# Altium PCB ps32-lite_rev_a_public.pcbdoc (part 2 of 3)
Units mm, origin at the board's own origin, x right, y up, seen from the top; angles counter-clockwise.
Board outline 80 x 99 mm, 4 copper layers (Top Layer, Int1 (GND), Int2 (PWR), Bottom Layer), stack 1.369 mm thick; 80 components, 247 nets, 825 pads, 640 vias.
Unrouted connection lines stored in the file: 30.
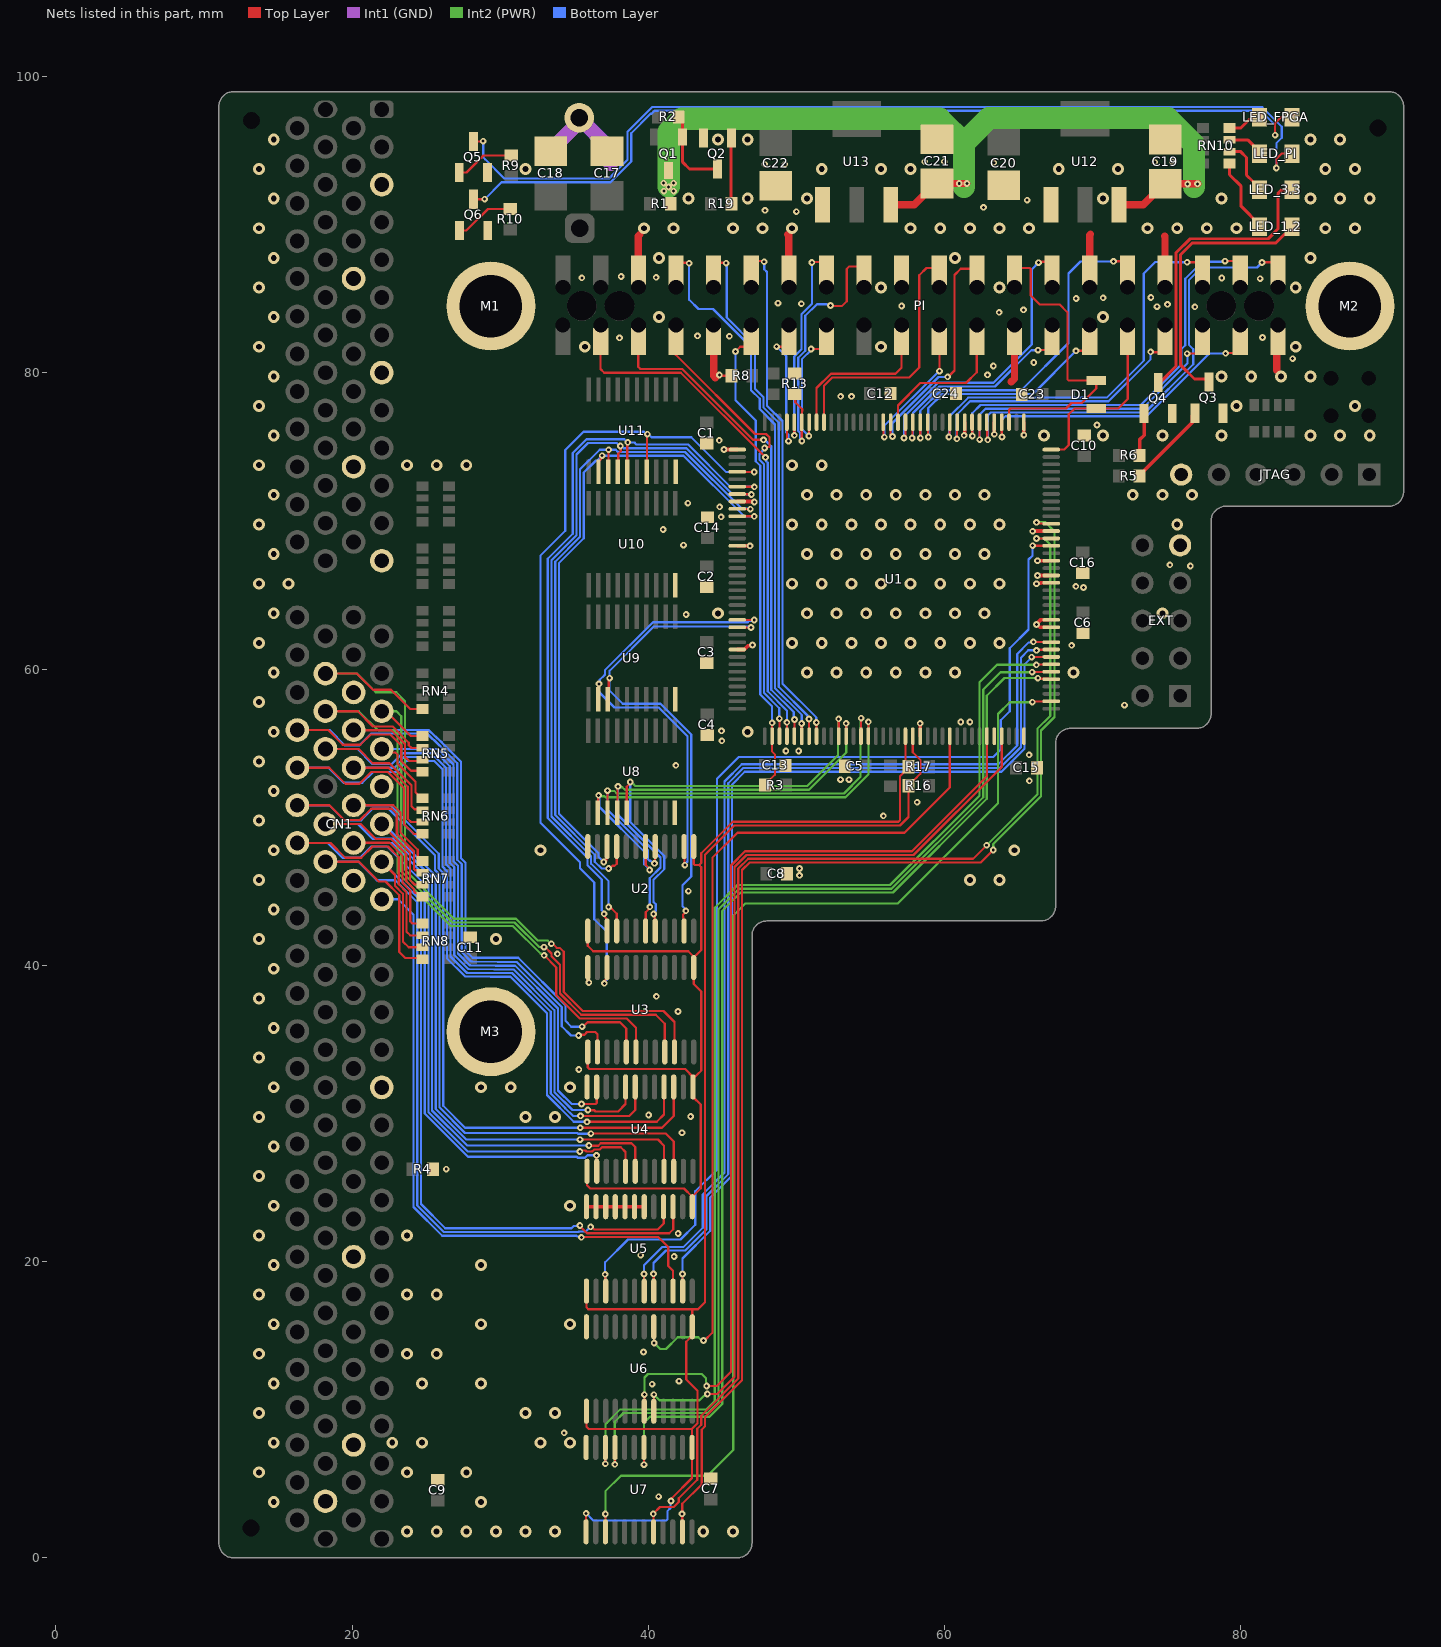
[diagram p4: the nets of this part, all layers, seen from the top]

## Via types
v1: diameter 0.45, hole 0.2, Top Layer to Bottom Layer, tented both sides, 430 vias
v2: diameter 0.8, hole 0.4, Top Layer to Bottom Layer, tented both sides, 210 vias

## Nets (pads, with @x,y where several pads share a name; then routed paths per layer and width w, separated by ;. In a path a pad name is that pad's centre, name@x,y a point inside that pad or via, vN(x,y) a via of type N, cw(c..) or ccw(c..) an arc to the next point about the centre after c; other vN are vias at no path point) (continued)
DA21: U1.40 U3.10 U11.7 | length 57.9
  Top Layer w0.15: v1(37.033,38.789) 37.091,38.847 37.091,39.009 37.211,39.129 U3.10@37.211,39.866 ; U11.7@39.881,73.355 39.904,73.378 39.904,75.846 v1(39.929,75.87) ; U1.40@46.008,73.328 46.014,73.321 47.144,73.321 v1(47.151,73.314)
  Bottom Layer w0.15: v1(37.033,38.789) 37.033,38.871 37.189,39.027 37.189,42.282 36.349,43.123 36.349,45.591 35.387,46.553 35.387,46.971 32.71,49.649 32.71,67.668 34.392,69.351 34.392,74.801 35.62,76.029 39.691,76.029 39.85,75.87 v1(39.929,75.87) ; v1@39.929,75.864 40.016,75.864 40.214,75.666 42.892,75.666 45.236,73.322 47.143,73.322 v1(47.151,73.314)
DA22: U1.42 U2.15 U11.5 | length 51.7
  Top Layer w0.15: v1(37.014,43.483) 37.071,43.426 37.071,43.252 37.176,43.148 37.176,42.361 U2.15@37.214,42.323 ; U11.5@38.583,73.357 38.583,75.29 v1(38.609,75.316) ; U1.42@46.008,72.328 46.017,72.318 47.144,72.318 v1(47.153,72.309)
  Bottom Layer w0.15: v1(37.014,43.483) 37.014,43.565 36.849,43.729 36.849,45.798 35.887,46.76 35.887,47.27 33.21,49.948 33.21,67.461 34.892,69.144 34.892,74.594 35.827,75.529 38.371,75.529 38.584,75.316 v1(38.609,75.316) ; v1@38.609,75.305 38.615,75.299 39.059,75.299 39.192,75.166 42.685,75.166 45.536,72.316 47.146,72.316 v1(47.153,72.309)
DA23: U1.43 U2.16 U11.4 | length 51.1
  Top Layer w0.15: v1(37.317,43.942) 37.399,43.942 37.523,43.817 37.529,43.817 37.864,43.482 U2.16@37.864,42.323 ; U11.4@37.92,73.344 37.967,73.391 37.967,74.544 38.134,74.711 38.134,75.047 v1(38.112,75.069) ; U1.43@46.008,71.828 46.024,71.812 46.939,71.812 v1(46.955,71.796)
  Bottom Layer w0.15: v1(37.317,43.942) 37.317,45.683 36.137,46.864 36.137,47.374 33.46,50.051 33.46,67.357 35.142,69.04 35.142,74.491 35.931,75.279 37.874,75.279 38.085,75.069 38.194,75.069 38.346,74.916 42.582,74.916 45.702,71.796 v1(46.955,71.796)
DA24: U1.84 U2.19 U8.4 | length 32.6
  Top Layer w0.15: U8.4@37.923,50.306 37.923,52.057 v1(37.954,52.089) ; U2.19@39.814,42.323 39.821,42.33 39.821,43.598 40.1,43.877 v1(40.1,43.955) ; v1(53.355,56.348) v1(53.355,56.348) 53.356,55.479 U1.84@53.358,55.478
  Int2 (PWR) w0.15: v1(37.954,52.089) 38.01,52.035 38.072,52.035 38.238,52.035 38.418,51.854 50.846,51.854 53.36,54.369 53.36,56.343 v1(53.355,56.348)
  Bottom Layer w0.15: v1(37.954,52.089) 37.954,50.153 40.217,47.89 40.217,47.887 40.818,47.286 40.818,46.604 40.1,45.887 v1(40.1,43.955)
DA25: U1.83 U2.20 U8.5 | length 32.3
  Top Layer w0.15: U8.5@38.537,50.271 38.537,52.062 38.778,52.302 v1(38.778,52.384) ; v1(40.362,43.471) 40.362,43.39 40.426,43.325 40.426,42.361 U2.20@40.464,42.323 ; v1(52.849,56.643) 52.853,56.639 52.853,55.482 U1.83@52.858,55.478
  Int2 (PWR) w0.15: v1(38.778,52.384) 38.856,52.384 39.135,52.104 50.714,52.104 52.802,54.193 52.802,56.596 v1(52.849,56.643)
  Bottom Layer w0.15: v1(38.778,52.384) 38.778,49.683 40.467,47.993 40.467,47.99 41.068,47.39 41.068,46.501 40.35,45.783 40.35,44.285 40.506,44.129 40.506,43.697 40.362,43.552 v1(40.362,43.471)
DA26: U1.61 U2.23 U9.3 | length 35
  Top Layer w0.15: U9.3@37.297,57.959 37.329,57.99 37.329,59.336 v1(37.386,59.394) ; U2.23@42.414,42.323 42.376,42.361 42.376,43.24 42.344,43.272 42.344,43.419 42.528,43.603 v1(42.528,43.685) ; U1.61@46.008,62.828 46.015,62.821 46.929,62.821 v1(46.936,62.814)
  Bottom Layer w0.15: v1@37.348,59.432 37.386,59.47 37.386,59.9 40.362,62.876 46.777,62.876 46.782,62.872 46.878,62.872 v1(46.936,62.814) ; v1(37.386,59.394) 37.386,58.542 38.269,57.659 40.82,57.659 42.893,55.586 42.893,46.004 42.301,45.412 42.301,43.992 42.528,43.766 v1(42.528,43.685)
DA27: U1.60 U2.2 U9.2 | length 32.7
  Top Layer w0.15: U9.2@36.619,57.932 36.64,57.952 36.64,58.98 v1(36.669,59.009) ; U2.2@42.414,48.023 42.441,47.996 42.441,46.8 v1(42.468,46.773) ; U1.60@46.008,63.328 46.011,63.324 47.228,63.324 v1@47.231,63.32
  Bottom Layer w0.15: v1(42.468,46.773) 42.468,46.835 42.643,47.011 42.643,55.471 40.705,57.409 37.713,57.409 36.669,58.453 v1(36.669,59.009) 36.697,59.038 36.726,59.067 36.726,59.286 37.049,59.61 37.049,59.625 37.065,59.641 37.065,59.932 40.309,63.177 46.706,63.177 46.793,63.263 v1@47.174,63.263
  other v1: 47.151,63.32
DA28: U1.86 U2.5 U8.3 | length 31.8
  Top Layer w0.15: U8.3@37.241,50.275 37.244,50.278 37.244,51.792 v1(37.246,51.794) ; v1(40.418,46.886) 40.441,46.909 40.441,48 U2.5@40.464,48.023 ; U1.86@54.358,55.478 54.362,55.482 54.362,56.691 v1(54.366,56.695)
  Int2 (PWR) w0.15: v1(37.246,51.794) 37.258,51.783 37.696,51.783 37.875,51.604 53.204,51.604 54.328,52.728 54.328,56.658 v1(54.366,56.695)
  Bottom Layer w0.15: v1(37.246,51.794) 37.244,51.792 37.244,50.509 39.967,47.786 39.967,47.178 40.073,47.072 40.151,47.072 40.337,46.886 v1(40.418,46.886)
DA29: U1.87 U2.6 U8.2 | length 33
  Top Layer w0.15: U8.2@36.585,50.27 36.585,50.922 cw(c36.735,50.922) 36.585,50.925 36.621,50.961 36.621,51.455 v1(36.65,51.484) ; U2.6@39.814,48.023 39.821,48.016 39.821,46.792 40.09,46.523 v1(40.09,46.442) ; U1.87@54.858,55.478 v1(54.857,56.447)
  Int2 (PWR) w0.15: v1(36.65,51.484) 36.707,51.427 37.048,51.427 37.121,51.354 53.319,51.354 54.857,52.892 v1(54.857,56.447)
  Bottom Layer w0.15: v1@36.601,51.35 36.601,51.435 v1(36.65,51.484) 36.707,51.427 36.707,50.693 39.717,47.683 39.717,46.824 40.09,46.451 v1(40.09,46.442)
DA30: U1.45 U2.9 U11.3 | length 47.4
  Top Layer w0.15: U11.3@37.275,73.349 37.302,73.376 37.302,74.801 v1(37.317,74.816) ; v1(37.317,46.538) 37.399,46.538 37.584,46.724 37.724,46.724 37.865,46.865 37.865,48.022 U2.9@37.864,48.023 ; U1.45@46.008,70.828 46.019,70.817 46.872,70.817 v1(46.883,70.805)
  Bottom Layer w0.15: v1@37.294,74.832 37.31,74.816 37.799,74.816 37.949,74.666 42.478,74.666 46.318,70.827 46.862,70.827 v1(46.883,70.805) ; v1(37.317,74.816) 36.714,74.816 35.392,73.495 35.392,68.936 33.71,67.254 33.71,50.155 36.387,47.477 36.387,47 36.849,46.538 v1(37.317,46.538)
DA31: U1.46 U2.10 U11.2 | length 45.4
  Top Layer w0.15: U11.2@36.636,73.337 36.636,74.012 36.786,74.161 36.786,74.241 36.882,74.338 v1(36.882,74.415) ; v1(36.989,46.979) 37.068,46.979 37.176,47.087 37.176,47.985 U2.10@37.214,48.023 ; U1.46@46.008,70.328 46.013,70.323 47.125,70.323 v1@47.131,70.318
  Bottom Layer w0.15: v1@36.879,74.416 42.374,74.416 46.467,70.324 46.677,70.324 46.68,70.327 47.122,70.327 v1@47.131,70.318 ; v1(36.882,74.415) 36.878,74.415 36.556,74.093 36.46,74.093 35.642,73.276 35.642,68.833 33.96,67.15 33.96,50.258 36.637,47.581 36.637,47.33 v1(36.989,46.979)
  other v1: 47.151,70.318
DS: U1.98 U6.5 | length 59.5
  Top Layer w0.15: v1@40.382,14.514 U6.5@40.382,15.744 ; v1(43.724,14.669) 43.79,14.669 44.325,15.203 44.325,47.262 46.013,48.951 57.29,48.951 60.358,52.019 U1.98@60.358,55.478
  Int2 (PWR) w0.15: v1(40.396,14.5) 40.799,14.097 41.192,14.097 41.992,14.897 43.369,14.897 43.597,14.669 v1(43.724,14.669)
DSACK0: U1.103 U6.19 | length 66
  Top Layer w0.15: v1(39.734,11.013) 39.738,11.008 39.738,9.86 U6.19@39.743,9.855 ; v1(43.936,11.603) 43.947,11.592 44.597,11.592 45.575,12.57 45.575,46.744 46.531,47.701 57.807,47.701 62.858,52.751 U1.103@62.858,55.478
  Int2 (PWR) w0.15: v1(39.734,11.013) 39.734,12.177 39.973,12.417 43.603,12.417 43.888,12.132 43.888,11.65 v1(43.936,11.603)
DSACK1: U1.105 U6.20 | length 64.8
  Top Layer w0.15: v1(40.374,11.019) 40.384,11.01 40.384,9.864 U6.20@40.393,9.855 ; v1(43.985,11.055) 44.661,11.055 45.825,12.219 45.825,46.641 46.634,47.451 57.911,47.451 63.858,53.397 U1.105@63.858,55.478
  Int2 (PWR) w0.15: v1(40.374,11.019) 40.754,10.64 43.449,10.64 43.732,10.923 43.841,10.923 43.974,11.055 v1(43.985,11.055)
FC0: U1.113 U7.6 | length 76
  Top Layer w0.15: v1@39.706,6.318 U7.6@39.706,7.547 ; v1(66.297,59.398) 66.348,59.347 67.188,59.347 U1.113@67.208,59.328
  Int2 (PWR) w0.15: v1(39.71,6.291) 39.71,9.12 40.111,9.522 44.124,9.522 44.988,10.385 44.988,43.124 44.988,43.682 46.231,44.925 46.788,44.925 56.525,44.925 62.856,51.256 62.856,58.202 64.052,59.398 v1(66.297,59.398)
FC1: U1.114 U7.9 | length 78.3
  Top Layer w0.15: v1(37.735,6.309) 37.74,6.314 37.74,7.532 U7.9@37.745,7.537 ; v1(65.918,59.798) 65.933,59.813 67.192,59.813 U1.114@67.208,59.828
  Int2 (PWR) w0.15: v1(37.735,6.309) 37.735,9.182 38.325,9.772 44.02,9.772 44.738,10.489 44.738,43.228 44.738,43.785 46.128,45.175 46.685,45.175 56.421,45.175 62.606,51.36 62.606,58.629 63.775,59.798 v1(65.918,59.798)
FC2: U1.115 U7.10 | length 79.2
  Top Layer w0.15: v1(37.1,6.35) 37.098,6.353 37.098,7.526 U7.10@37.1,7.528 ; v1(66.199,60.298) 66.214,60.313 67.193,60.313 U1.115@67.208,60.328
  Int2 (PWR) w0.15: v1(37.1,6.35) 37.1,9.013 38.108,10.022 43.917,10.022 44.488,10.592 44.488,43.331 44.488,43.889 46.024,45.425 46.581,45.425 56.318,45.425 62.356,51.463 62.356,59.109 63.545,60.298 v1(66.199,60.298)
GND: C1.1 C2.1 C3.1 C4.1 C5.1 C6.1 C7.1 C8.1 C9.1 C10.1 C11.1 C12.1 C13.1 C14.1 C15.1 C16.1 C17.2 C18.2 C19.2 C20.2 C21.2 C22.2 C23.2 C24.1 CN1.P$9 CN1.P$19 CN1.P$29 CN1.P$39 CN1.P$49 CN1.P$59 CN1.P$69 CN1.P$79 CN1.P$101 CN1.P$119 CN1.P$139 CN1.P$146 EXT.9 JTAG.6 M1.1 M2.1 M3.1 pad.50 PI.6 PI.9 PI.14 PI.20 PI.25 PI.30 PI.34 PI.39 Q2.2 Q3.2 Q4.2 Q5.2 Q6.2 R4.2 R8.2 R13.1 U1.1 U1.5 U1.9 U1.37 U1.44 U1.50 U1.64 U1.94 U1.104 U1.108 U1.120 U1.121 U1.126 U1.127 U1.129 U1.133 U2.12 U3.12 U4.12 U5.6 U5.7 U5.8 U5.9 U5.10 U5.11 U5.12 U6.12 U7.12 U8.10 U9.10 U10.10 U11.10 U12.1 U13.1 | length 43.9
  Top Layer w0.15: v1@44.847,79.811 R8.2@45.612,79.811
  Top Layer w0.2: U3.12@35.912,39.859 35.941,39.83 35.941,38.884 v1(35.983,38.842)
  Top Layer w0.25: U5.12@35.819,23.707 U5.11@36.469,23.707 U5.10@37.119,23.707 U5.9@37.769,23.707 U5.8@38.419,23.707 U5.7@39.069,23.707 U5.6@39.719,23.707 ; v1(45.108,74.835) 45.115,74.828 U1.37@46.008,74.828 ; U1.64@46.008,61.328 46.483,61.328 46.746,61.592 46.99,61.592 v1(47.029,61.63) ; U1.50@46.008,68.328 v1(46.869,68.328) ; U1.44@46.008,71.328 47.056,71.328 47.101,71.283 v1(47.155,71.283) ; U1.94@58.358,55.478 v1(58.358,56.34) ; v1(61.326,75.787) 61.358,75.819 U1.9@61.358,76.678 ; v1(63.358,75.864) U1.5@63.358,76.678 ; v1(65.358,75.817) U1.1@65.358,76.678 ; v1(65.948,69.314) 65.962,69.328 U1.133@67.208,69.328 ; v1(66.208,65.768) 66.246,65.806 66.479,65.806 66.501,65.828 U1.126@67.208,65.828 ; v1(66.277,66.328) U1.127@67.208,66.328 ; v1(66.277,67.322) 66.283,67.328 U1.129@67.208,67.328 ; 66.483,63.328 66.208,63.053 v1(66.208,63.012) 66.248,63.012 66.432,62.828 U1.120@67.208,62.828 ; 66.483,63.328 U1.121@67.208,63.328
  Top Layer w0.5: PI.6@39.326,86.927 39.326,89.249 39.426,89.349 ; PI.9@44.406,82.127 44.406,79.793 44.517,79.682 ; 49.426,89.349 49.486,89.29 PI.14@49.486,86.927 ; 64.516,79.408 64.726,79.618 PI.25@64.726,82.127 ; PI.30@69.806,86.927 69.806,89.318 69.856,89.368 ; 74.878,89.233 74.886,89.225 PI.34@74.886,86.927 ; 82.426,80.197 82.426,82.047 PI.39@82.506,82.127
  Int1 (GND) w1: 33.752,94.495 33.752,95.384 35.329,96.962 pad.50@35.329,97.232 37.435,95.126 37.435,94.126
  other v1: 40.698,4.125 34.317,8.44 40.254,11.72 42.069,11.932 39.669,13.894 41.745,20.344 39.478,20.43 42.016,21.9 26.354,26.238 42.274,28.7 42.861,29.798 40.019,29.897 35.307,32.973 42.004,36.887 40.537,37.913 33.856,40.782 42.702,45.011 50.206,46.082 50.206,46.541 55.87,50.101 58.149,51.016 65.722,52.466 52.976,52.537 53.55,52.537 41.855,53.504 65.709,54.22 49.288,54.477 50.149,54.477 44.961,55.166 44.944,55.834 61.095,56.438 61.706,56.43 72.145,57.568 68.578,61.614 42.556,63.691 69.378,65.514 68.865,65.597 76.598,66.963 75.209,67.043 42.379,68.379 41.004,69.437 44.917,70.282 44.813,70.96 42.665,71.209 44.787,75.451 70.295,76.492 53.714,78.421 52.984,78.424 44.792,79.866 62.901,79.87 63.292,80.476 66.024,80.705 83.503,80.972 38.048,82.368 81.474,82.397 45.467,82.479 43.323,82.503 63.688,84.094 65.33,84.268 76.897,84.466 74.34,84.483 57.106,84.519 75.057,84.639 50.329,84.674 48.756,84.715 68.884,85.033 70.705,85.072 73.928,85.098 81.306,86.364 35.513,86.423 78.717,86.409 40.529,86.459 38.166,86.513 49.997,90.891 47.879,90.985 62.627,91.184 65.575,91.672 47.855,94.093 49.214,94.088 63.324,94.194 74.204,94.235 75.366,94.26 58.661,94.273 59.977,94.273
  other v2: 23.709,1.773 25.709,1.773 27.709,1.773 29.709,1.773 31.709,1.773 33.709,1.773 43.709,1.773 45.709,1.773 14.709,3.773 28.709,3.773 13.709,5.773 23.709,5.773 27.709,5.773 14.709,7.773 22.709,7.773 24.709,7.773 32.709,7.773 34.709,7.773 13.709,9.773 31.709,9.773 33.709,9.773 14.709,11.773 24.709,11.773 28.709,11.773 13.709,13.773 23.709,13.773 25.709,13.773 14.709,15.773 28.709,15.773 34.709,15.773 13.709,17.773 23.709,17.773 25.709,17.773 14.709,19.773 28.709,19.773 13.709,21.773 23.709,21.773 14.709,23.773 34.709,23.773 13.709,25.773 14.709,27.773 13.709,29.773 31.709,29.773 33.709,29.773 14.709,31.773 28.709,31.773 30.709,31.773 34.709,31.773 13.709,33.773 14.709,35.773 13.709,37.773 14.709,39.773 13.709,41.773 29.709,41.773 14.709,43.773 13.709,45.773 61.709,45.773 63.709,45.773 14.709,47.773 32.709,47.773 64.709,47.773 13.709,49.773 14.709,51.773 13.709,53.773 14.709,55.773 46.709,55.773 13.709,57.773 14.709,59.773 50.709,59.773 52.709,59.773 54.709,59.773 56.709,59.773 58.709,59.773 60.709,59.773 68.709,59.773 13.709,61.773 49.709,61.773 51.709,61.773 53.709,61.773 55.709,61.773 57.709,61.773 59.709,61.773 61.709,61.773 63.709,61.773 14.709,63.773 44.709,63.773 50.709,63.773 52.709,63.773 54.709,63.773 56.709,63.773 58.709,63.773 60.709,63.773 62.709,63.773 74.709,63.773 13.709,65.773 15.709,65.773 49.709,65.773 51.709,65.773 53.709,65.773 55.709,65.773 57.709,65.773 59.709,65.773 61.709,65.773 63.709,65.773 14.709,67.773 50.709,67.773 52.709,67.773 54.709,67.773 56.709,67.773 58.709,67.773 60.709,67.773 62.709,67.773 13.709,69.773 49.709,69.773 51.709,69.773 53.709,69.773 55.709,69.773 57.709,69.773 59.709,69.773 61.709,69.773 63.709,69.773 75.709,69.773 14.709,71.773 50.709,71.773 52.709,71.773 54.709,71.773 56.709,71.773 58.709,71.773 60.709,71.773 62.709,71.773 72.709,71.773 74.709,71.773 76.709,71.773 13.709,73.773 23.709,73.773 25.709,73.773 27.709,73.773 49.709,73.773 51.709,73.773 14.709,75.773 66.709,75.773 70.709,75.773 74.709,75.773 78.709,75.773 84.709,75.773 86.709,75.773 88.709,75.773 13.709,77.773 79.709,77.773 87.709,77.773 14.709,79.773 78.709,79.773 80.709,79.773 82.709,79.773 84.709,79.773 13.709,81.773 35.709,81.773 55.709,81.773 83.709,81.773 14.709,83.773 40.709,83.773 70.709,83.773 13.709,85.773 55.709,85.773 63.709,85.773 83.709,85.773 14.709,87.773 40.709,87.773 60.709,87.773 84.709,87.773 13.709,89.773 39.709,89.773 41.709,89.773 45.709,89.773 47.709,89.773 49.709,89.773 57.709,89.773 59.709,89.773 61.709,89.773 63.709,89.773 65.709,89.773 73.709,89.773 75.709,89.773 77.709,89.773 79.709,89.773 85.709,89.773 87.709,89.773 14.709,91.773 42.709,91.773 46.709,91.773 50.709,91.773 70.709,91.773 78.709,91.773 84.709,91.773 86.709,91.773 88.709,91.773 13.709,93.773 31.709,93.773 51.709,93.773 55.709,93.773 57.709,93.773 67.709,93.773 71.709,93.773 85.709,93.773 87.709,93.773 14.709,95.773 44.709,95.773 46.709,95.773 84.709,95.773 86.709,95.773
GPIO0: PI.27 U1.16 | length 14.3
  Top Layer w0.15: v1(57.811,75.608) 57.838,75.635 57.838,76.659 U1.16@57.858,76.678 ; v1@66.284,81.545 66.821,81.545 67.256,81.98 PI.27@67.256,82.127
  Bottom Layer w0.15: v1(57.811,75.608) 57.867,75.664 57.867,77.296 59.656,79.085 63.41,79.085 65.863,81.539 v1(66.312,81.539)
GPIO1: PI.28 U1.17 | length 20.2
  Top Layer w0.15: v1(57.261,75.614) 57.261,75.684 57.358,75.78 U1.17@57.358,76.678 ; v1@66.298,87.511 66.821,87.511 67.256,87.076 PI.28@67.256,86.927
  Bottom Layer w0.15: v1(57.261,75.614) 57.261,77.044 59.552,79.335 63.298,79.335 65.884,81.921 65.884,86.586 65.884,86.992 v1(66.345,87.453)
GPIO2: PI.3 U1.76 | length 34.9
  Top Layer w0.15: PI.3@36.776,82.127 36.776,80.272 37.03,80.019 42.194,80.019 47.906,74.306 v1(47.906,74.303) ; v1(49.353,56.406) 49.355,56.404 49.355,55.492 U1.76@49.359,55.488
  Bottom Layer w0.15: v1(47.906,74.303) 47.963,74.245 47.963,74.033 48.056,73.941 48.056,58.504 49.353,57.206 v1(49.353,56.406)
GPIO3: PI.5 U1.77 | length 32.9
  Top Layer w0.15: PI.5@39.316,81.916 39.319,81.913 39.319,80.414 39.464,80.269 42.297,80.269 47.068,75.497 47.764,75.497 v1(47.774,75.487) ; U1.77@49.854,55.492 49.863,55.501 49.863,56.593 v1(49.868,56.598)
  Bottom Layer w0.15: v1(47.774,75.487) 47.862,75.487 48.012,75.337 48.015,75.337 48.306,75.046 48.306,58.607 49.811,57.102 49.811,56.656 v1(49.868,56.598)
GPIO4: PI.7 U1.75 | length 30.7
  Top Layer w0.15: PI.7@41.856,82.127 41.856,81.237 47.206,75.887 47.94,75.887 48.174,75.653 48.174,75.025 48.144,74.995 47.907,74.995 v1(47.849,74.937) ; v1(48.844,56.66) 48.851,56.653 48.851,55.496 U1.75@48.857,55.49
  Bottom Layer w0.15: v1(47.849,74.937) 47.849,74.868 47.506,74.524 47.506,74.137 47.805,73.838 47.805,58.401 48.844,57.362 v1(48.844,56.66)
GPIO5: PI.29 U1.14 | length 15.8
  Top Layer w0.15: U1.14@58.858,76.678 58.877,76.659 58.877,75.711 v1(58.906,75.681) ; v1@68.91,81.504 69.361,81.504 69.796,81.939 PI.29@69.796,82.127
  Bottom Layer w0.15: v1(58.906,75.681) 58.906,77.628 59.863,78.585 65.968,78.585 v1(68.88,81.498)
GPIO6: D1.1 PI.31 U1.144 | length 11.6
  Top Layer w0.15: U1.144@67.208,74.828 68.083,74.828 68.388,75.133 68.388,77.209 68.773,77.593 D1.1@70.244,77.593 71.716,77.593 72.364,78.241 72.364,81.988 PI.31@72.336,82.016
GPIO7: D1.2 PI.26 U1.3 | length 20.3
  Top Layer w0.15: U1.3@64.358,76.678 64.358,77.498 64.456,77.596 68.198,77.596 68.578,77.976 69.272,77.976 70.244,78.948 D1.2@70.244,79.493 68.382,79.493 68.294,79.581 68.294,84.098 67.769,84.623 66.433,84.623 65.818,85.238 65.818,87.006 65.73,87.094 64.883,87.094 PI.26@64.716,86.927
GPIO8: PI.24 U1.19 | length 15.8
  Top Layer w0.15: U1.19@56.358,76.678 56.358,75.842 56.482,75.717 v1(56.482,75.708) ; v1(60.207,79.735) 60.233,79.735 60.665,80.168 60.665,86.618 61.092,87.045 62.059,87.045 PI.24@62.176,86.927
  Bottom Layer w0.15: v1(56.482,75.708) 56.482,76.618 59.588,79.724 60.196,79.724 v1(60.207,79.735)
GPIO9: PI.21 U1.20 | length 9.1
  Top Layer w0.15: U1.20@55.858,76.678 55.877,76.659 55.877,75.724 v1(55.933,75.667) ; PI.21@59.636,82.127 59.656,82.107 v1(59.656,80.124)
  Bottom Layer w0.15: v1(55.933,75.667) 55.933,76.439 59.618,80.124 v1(59.656,80.124)
GPIO10: PI.19 U1.29 | length 10.4
  Top Layer w0.15: U1.29@51.351,76.671 U1.29@51.358,76.678 51.358,78.983 52.326,79.952 56.694,79.952 57.096,80.354 PI.19@57.096,82.127
GPIO11: PI.23 U1.18 | length 9.5
  Top Layer w0.15: U1.18@56.858,76.678 56.858,77.812 58.368,79.322 61.447,79.322 62.176,80.051 PI.23@62.176,82.127
GPIO12: PI.32 U1.15 | length 24.2
  Top Layer w0.15: U1.15@58.358,76.678 58.359,76.676 58.359,75.61 v1(58.361,75.608) ; v1@71.4,87.55 71.901,87.55 72.336,87.115 PI.32@72.336,86.927
  Bottom Layer w0.15: v1(58.361,75.608) 58.366,75.613 58.366,77.442 59.76,78.835 65.175,78.835 68.369,82.029 68.369,86.724 69.179,87.534 70.5,87.534 v1(71.408,87.534)
GPIO13: PI.33 U1.10 | length 19.4
  Top Layer w0.15: v1(60.828,75.553) 60.843,75.568 60.843,76.663 U1.10@60.858,76.678 ; v1@73.89,81.405 74.441,81.405 74.876,81.84 PI.33@74.876,82.127
  Bottom Layer w0.15: v1(60.828,75.553) 60.828,77.189 61.724,78.085 71.073,78.085 73.914,80.926 v1(73.914,81.431)
GPIO14: PI.8 U1.78 | length 36.8
  Top Layer w0.15: PI.8@41.856,86.927 41.856,87.011 42.291,87.446 v1@42.707,87.446 ; v1(50.352,56.337) 50.355,56.334 50.355,55.481 U1.78@50.358,55.478
  Bottom Layer w0.15: v1(42.754,87.409) 42.754,86.652 42.754,84.947 43.384,84.317 44.37,84.317 46.936,81.751 46.936,78.835 47.518,78.253 47.518,77.564 48.556,76.526 48.556,58.711 50.352,56.914 v1(50.352,56.337)
GPIO15: PI.10 U1.79 | length 35.6
  Top Layer w0.15: PI.10@44.396,86.927 44.396,87.383 44.45,87.437 45.261,87.437 v1@45.27,87.428 ; v1(50.846,56.636) 50.852,56.63 50.852,55.485 U1.79@50.858,55.478
  Bottom Layer w0.15: v1(45.252,87.418) 45.299,87.371 45.299,83.741 47.192,81.848 47.192,78.953 47.768,78.377 47.768,77.685 48.806,76.647 48.806,58.814 50.747,56.873 50.747,56.817 50.846,56.717 v1(50.846,56.636)
GPIO16: PI.36 U1.11 | length 27.6
  Top Layer w0.15: v1(60.29,75.679) 60.338,75.728 60.338,76.659 U1.11@60.358,76.678 ; v1(76.379,87.476) 77.029,87.476 77.416,87.089 PI.36@77.416,86.927
  Bottom Layer w0.15: v1(60.29,75.679) 60.322,75.712 60.322,77.065 61.592,78.335 70.953,78.335 73.452,80.834 73.452,86.718 74.228,87.493 75.424,87.493 75.436,87.481 76.374,87.481 v1(76.379,87.476)
GPIO17: PI.11 R3.1 U1.74 | length 32
  Top Layer w0.15: v1(45.885,81.455) 45.889,81.455 46.201,81.768 46.577,81.768 PI.11@46.936,82.127 ; R3.1@47.9,52.174 47.9,52.224 48.544,52.868 48.544,54.248 48.358,54.435 U1.74@48.358,55.478 ; U1.74@48.357,55.49 v1(48.356,56.379)
  Bottom Layer w0.15: v1(45.885,81.455) 45.885,78.166 47.256,76.795 47.256,74.034 47.555,73.734 47.555,58.297 48.356,57.497 v1(48.356,56.379)
GPIO18: PI.12 U1.80 | length 35
  Top Layer w0.15: PI.12@46.936,86.927 46.936,87.49 47.003,87.557 v1@47.842,87.557 ; v1(51.341,56.395) 51.349,56.387 51.349,55.487 U1.80@51.358,55.478
  Bottom Layer w0.15: v1(47.824,87.511) 47.824,87.007 48.018,86.813 48.018,77.788 49.056,76.751 49.056,59.021 51.331,56.747 51.331,56.406 v1(51.341,56.395)
GPIO19: PI.35 U1.7 | length 20.6
  Top Layer w0.15: U1.7@62.358,76.678 62.362,76.674 62.362,75.505 v1(62.366,75.501) ; v1(76.379,81.308) 76.981,81.308 77.416,81.743 PI.35@77.416,82.127
  Bottom Layer w0.15: v1(62.366,75.501) 62.353,75.514 62.353,77.179 62.759,77.585 73.348,77.585 76.397,80.634 76.397,81.291 v1(76.379,81.308)
GPIO20: PI.38 U1.8 | length 28.4
  Top Layer w0.15: U1.8@61.858,76.678 61.866,76.67 61.866,75.754 v1(61.874,75.746) ; v1(78.94,87.552) 79.521,87.552 79.956,87.117 PI.38@79.956,86.927
  Bottom Layer w0.15: v1(61.874,75.746) 61.868,75.751 61.868,77.281 62.423,77.835 73.244,77.835 75.987,80.578 75.987,81.134 75.979,81.143 75.979,81.609 76.247,81.876 76.247,86.362 77.402,87.517 78.905,87.517 v1(78.94,87.552)
GPIO21: PI.40 U1.6 | length 30.8
  Top Layer w0.15: U1.6@62.858,76.678 62.877,76.659 62.877,75.52 v1(62.916,75.481) ; v1@81.423,87.481 82.061,87.481 82.496,87.046 PI.40@82.496,86.927
  Bottom Layer w0.15: v1(62.916,75.481) 62.916,77.129 63.122,77.335 73.539,77.335 76.786,80.582 76.786,81.608 76.497,81.898 76.497,86.258 77.354,87.116 81.094,87.116 v1(81.435,87.457)
GPIO22: PI.15 U1.30 | length 8.5
  Top Layer w0.15: v1(50.84,75.745) 50.849,75.754 50.849,76.669 U1.30@50.858,76.678 ; v1(50.997,81.614) 51.581,81.614 52.016,82.049 PI.15@52.016,82.127
  Bottom Layer w0.15: v1(50.84,75.745) 50.367,76.217 50.367,80.925 50.997,81.554 v1(50.997,81.614)
GPIO23: PI.16 U1.32 | length 14.4
  Top Layer w0.15: v1(49.855,75.787) v1(49.855,75.787) 49.856,76.677 U1.32@49.858,76.678 ; v1@51.013,87.501 51.581,87.501 52.016,87.066 PI.16@52.016,86.927
  Bottom Layer w0.15: v1(49.855,75.787) 49.854,76.188 49.854,76.312 49.854,81.119 50.347,81.612 50.347,83.965 51.041,84.659 v1(51.041,87.465)
GPIO24: PI.18 R13.2 U1.31 | length 19
  Top Layer w0.15: R13.2@49.878,78.559 49.919,78.518 49.919,78.022 50.386,77.555 50.386,77.431 50.377,77.422 50.377,76.697 U1.31@50.358,76.678 50.36,76.676 50.36,75.408 v1(50.363,75.406) ; v1(52.3,84.553) 52.339,84.515 53.06,84.515 53.39,84.845 53.39,87.016 53.571,87.197 54.286,87.197 PI.18@54.556,86.927
  Bottom Layer w0.15: v1(50.363,75.406) 50.293,75.475 50.255,75.513 50.25,75.567 cw(c50.399,75.581) 50.255,75.622 50.255,75.953 50.122,76.086 50.117,76.091 50.117,81.028 50.597,81.508 50.597,83.86 51.381,84.644 52.062,84.644 52.096,84.611 52.243,84.611 v1(52.3,84.553)
GPIO25: PI.22 U1.28 | length 17.3
  Top Layer w0.15: U1.28@51.869,76.667 U1.28@51.858,76.678 51.858,79.129 52.426,79.698 57.626,79.698 58.297,80.369 58.297,86.601 58.78,87.084 59.479,87.084 PI.22@59.636,86.927
GPIO26: PI.37 U1.4 | length 20.6
  Top Layer w0.15: U1.4@63.858,76.678 63.869,76.667 63.869,75.69 v1(63.88,75.678) ; v1@78.989,81.348 79.521,81.348 79.956,81.783 PI.37@79.956,82.127
  Bottom Layer w0.15: v1(63.88,75.678) 63.88,76.856 64.107,77.083 73.64,77.083 77.88,81.322 78.27,81.322 v1(78.976,81.322)
GPIO27: PI.13 U1.33 | length 9
  Top Layer w0.15: v1(48.668,81.775) 49.124,81.775 PI.13@49.476,82.127 ; U1.33@49.358,76.678 49.358,75.584 49.468,75.474 v1(49.468,75.396)
  Bottom Layer w0.15: v1(48.668,81.775) 49.306,81.137 49.306,75.995 49.455,75.846 49.455,75.409 v1(49.468,75.396)
HIZ_CTRL: R16.2 U1.93 U5.13 U6.1 U6.13 U7.1 U7.13 | length 91.2
  Top Layer w0.15: U7.13@35.8,1.755 v1(35.8,3.005) 35.8,3.035 v1@35.802,3.037 ; U6.13@35.819,9.9 35.819,8.852 35.981,8.691 42.93,8.691 ; U5.13@35.819,18.007 35.819,16.912 35.946,16.785 42.969,16.785 ; v1(41.535,3.835) 41.583,3.883 41.583,4.02 42.95,5.387 U7.1@42.95,7.455 42.95,8.67 42.93,8.691 ; U1.93@57.858,55.478 57.858,54.385 58.367,53.876 58.367,52.936 57.936,52.505 57.886,52.505 57.561,52.18 R16.2@57.561,52.13 57.561,50.021 56.991,49.451 45.806,49.451 43.825,47.469 43.825,17.25 43.36,16.785 42.969,16.785 ; 42.93,8.691 43.319,9.08 43.319,9.699 43.319,11.279 42.558,12.041 42.558,14.59 42.798,14.831 42.821,14.831 42.969,14.979 42.969,16.785
  Bottom Layer w0.15: v1(35.8,3.005) 36.289,2.516 41.197,2.516 41.285,2.604 41.285,3.145 41.498,3.358 41.498,3.798 v1(41.535,3.835)
HIZ_DATA: R17.2 U1.92 U2.1 U2.13 U3.1 U3.13 U4.1 U4.13 U5.1 | length 72.6
  Top Layer w0.15: U4.13@35.864,26.096 35.864,25.151 36.077,24.939 42.413,24.939 U5.1@42.969,24.382 ; U3.13@35.912,34.159 35.912,33.112 36.025,32.999 42.485,32.999 43.014,32.471 U4.1@43.014,32.341 ; U2.13@35.914,42.323 35.914,41.328 36.283,40.959 42.691,40.959 43.062,40.588 U3.1@43.062,40.534 ; U5.1@42.969,23.707 U5.1@42.969,24.382 ; U2.1@43.064,48.023 43.064,46.861 43.152,46.773 43.431,46.773 ; U1.92@57.358,55.478 R17.2@57.358,53.147 ; R17.2@57.566,53.405 57.566,53.355 R17.2@57.358,53.147 ; U5.1@42.969,24.382 43.534,24.946 43.534,30.601 43.014,31.121 U4.1@43.014,31.796 U4.1@43.014,32.341 ; U4.1@43.014,32.341 43.338,32.664 43.344,32.664 43.575,32.895 43.575,38.236 43.062,38.749 U3.1@43.062,39.859 U3.1@43.062,40.534 ; U3.1@43.062,40.534 43.575,41.046 43.575,46.63 43.431,46.773 ; 43.431,46.773 43.575,46.916 43.575,47.573 45.702,49.701 56.888,49.701 56.986,49.799 56.986,52.775 R17.2@57.358,53.147
HLT: U1.131 U5.15 | length 75.8
  Top Layer w0.15: U5.15@37.081,17.941 37.085,17.945 37.085,19.14 v1(37.081,19.144) ; v1(65.947,68.339) 65.958,68.328 U1.131@67.208,68.328
  Bottom Layer w0.15: v1(37.081,19.144) 37.081,19.95 38.625,21.494 42.176,21.494 43.173,22.491 43.173,24.746 44.643,26.216 44.643,52.617 46.103,54.077 63.297,54.077 63.793,54.572 63.793,56.548 64.406,57.162 64.406,61.419 65.671,62.684 65.671,67.401 65.947,67.677 v1(65.947,68.339)
INT2: U1.132 U7.20 | length 89.3
  Top Layer w0.15: v1(40.33,2.97) 40.793,3.433 41.724,3.433 42.053,3.762 42.053,4.02 43.3,5.267 43.3,8.707 43.569,8.977 43.569,9.595 46.075,12.1 46.075,46.537 46.738,47.201 61.93,47.201 v1(62.842,48.113) ; v1@40.342,2.967 40.35,2.959 U7.20@40.35,1.755 ; v1(66.206,68.824) 66.208,68.826 67.206,68.826 U1.132@67.208,68.828
  Int2 (PWR) w0.15: v1(62.842,48.113) 66.268,51.539 66.268,55.975 67.133,56.84 67.133,68.423 66.732,68.824 v1(66.206,68.824)
INT6: U1.134 U7.23 | length 89.6
  Top Layer w0.15: v1(42.267,2.965) 42.284,2.949 42.284,1.771 U7.23@42.3,1.755 ; v1@42.293,2.954 42.293,3.648 43.599,4.954 43.599,8.653 43.819,8.873 43.819,9.491 46.325,11.997 46.325,46.434 46.841,46.951 62.447,46.951 v1(63.288,47.791) ; v1(66.208,69.92) 66.289,69.92 66.379,69.83 67.206,69.83 U1.134@67.208,69.828
  Int2 (PWR) w0.15: v1(63.288,47.791) 63.288,48.193 66.518,51.422 66.518,55.86 67.424,56.767 67.424,69.294 66.798,69.92 v1(66.208,69.92)
IPL0: U1.118 U5.19 | length 67.1
  Top Layer w0.15: v1(39.71,19.165) 39.715,19.16 39.715,18.012 U5.19@39.719,18.007 ; v1(65.993,61.845) 66.002,61.837 67.199,61.837 U1.118@67.208,61.828
  Bottom Layer w0.15: v1(39.71,19.165) 39.71,19.746 40.957,20.994 42.383,20.994 43.673,22.284 43.673,24.539 45.143,26.009 45.143,52.41 46.31,53.577 63.632,53.577 64.906,54.851 64.906,61.023 65.692,61.81 65.958,61.81 v1(65.993,61.845)
IPL1: U1.117 U5.20 | length 66.2
  Top Layer w0.15: v1(40.351,19.172) 40.36,19.162 40.36,18.017 U5.20@40.369,18.007 ; v1(66.208,61.275) 66.242,61.309 67.188,61.309 U1.117@67.208,61.328
  Bottom Layer w0.15: v1(40.351,19.172) 40.351,19.909 41.185,20.744 42.486,20.744 43.923,22.181 43.923,24.435 45.393,25.906 45.393,52.307 46.413,53.327 63.735,53.327 65.156,54.747 65.156,60.78 65.651,61.275 v1(66.208,61.275)
IPL2: U1.116 U5.23 | length 64.1
  Top Layer w0.15: U5.23@42.302,17.962 42.311,17.971 42.311,19.157 v1(42.302,19.165) ; v1(65.881,60.812) 65.889,60.82 67.199,60.82 U1.116@67.208,60.828
  Bottom Layer w0.15: v1(42.302,19.165) 42.302,20.206 44.173,22.077 44.173,24.332 45.643,25.802 45.643,52.203 46.517,53.077 63.839,53.077 65.406,54.644 65.406,60.337 v1(65.881,60.812)
KB_RESET: U1.110 U7.15 | length 79.7
  Top Layer w0.15: v1(37.099,2.954) 37.1,1.701 U7.15@37.102,1.698 ; v1(65.929,57.772) 65.966,57.809 67.188,57.809 U1.110@67.208,57.828
  Int2 (PWR) w0.15: v1(37.099,2.954) 37.099,4.486 38.149,5.535 43.99,5.535 45.738,7.283 45.738,42.814 45.738,43.371 46.542,44.175 47.099,44.175 56.836,44.175 63.606,50.945 63.606,56.975 64.403,57.772 v1(65.929,57.772)
NetC19_1: C19.1 C21.1 Q1.3 R1.1 U12.3 U13.3 | length 59.1
  Top Layer w0.5: U13.3@56.369,91.348 57.949,91.348 59.393,92.792 C21.1@59.493,92.792 v1(60.993,92.792) v1@61.509,92.792 ; U12.3@71.784,91.37 73.419,91.37 74.815,92.765 C19.1@74.915,92.765 v1(76.415,92.765) 77.081,92.765 v1(77.083,92.767)
  Int2 (PWR) w1.5: v1@41.371,92.589 41.371,96.284 42.249,97.163 59.672,97.163 61.31,95.525 ; 61.31,92.574 61.31,95.102 61.31,95.525 ; 76.842,92.573 76.842,95.441 75.074,97.209 62.994,97.209 61.31,95.525
  other v1: 41.042,92.273 41.712,92.281 41.373,92.553 61.51,92.795 41.03,92.816 41.711,92.82
NetLED_1.2_1: LED_1.2.1 Q3.3 | length 18.5
  Top Layer w0.2: Q3.3@77.751,79.052 77.751,79.402 77.551,79.602 76.877,79.602 75.918,80.562 75.918,87.97 76.711,88.763 82.345,88.763 82.945,89.363 83.07,89.363 83.47,89.763 LED_1.2.1@83.47,89.888
NetLED_1.2_2: LED_1.2.2 RN10.5 | length 5.1
  Top Layer w0.2: RN10.5@79.24,94.145 79.24,93.391 80.028,92.603 80.028,91.256 81.27,90.013 LED_1.2.2@81.27,89.888
NetLED_3.3_1: LED_3.3.1 Q4.3 | length 20.3
  Top Layer w0.2: Q4.3@74.495,79.314 75.618,80.437 75.618,88.094 76.586,89.063 81.853,89.063 82.505,89.715 82.505,92.099 82.771,92.365 LED_3.3.1@83.47,92.365
NetLED_3.3_2: LED_3.3.2 RN10.6 | length 3.9
  Top Layer w0.2: RN10.6@79.24,94.945 80,94.945 80.395,94.55 80.395,93.355 80.577,93.172 80.588,93.172 81.27,92.49 LED_3.3.2@81.27,92.365
NetLED_FPGA_1: LED_FPGA.1 Q6.3 | length 60.9
  Top Layer w0.15: Q6.3@28.205,91.728 28.887,91.728 v1@28.904,91.746 ; v1(82.321,96.062) 82.321,96.874 82.715,97.268 LED_FPGA.1@83.47,97.268
  Bottom Layer w0.15: v1(28.947,91.74) 30.092,92.885 37.441,92.885 38.842,94.286 38.842,96.192 40.15,97.5 40.209,97.5 40.409,97.701 81.347,97.701 82.321,96.727 v1(82.321,96.062)
NetLED_FPGA_2: LED_FPGA.2 RN10.8 | length 2.3
  Top Layer w0.2: RN10.8@79.24,96.545 80.001,96.545 80.588,97.131 81.134,97.131 LED_FPGA.2@81.27,97.268
NetLED_PI_1: LED_PI.1 Q5.3 | length 64.6
  Top Layer w0.15: Q5.3@28.183,95.631 28.801,95.631 v1@28.803,95.629 ; v1(82.405,93.843) 82.405,94.443 82.776,94.814 LED_PI.1@83.47,94.814
  Bottom Layer w0.15: v1(28.849,95.651) 28.849,94.558 28.98,94.427 30.271,93.135 37.338,93.135 38.592,94.39 38.592,96.296 40.247,97.951 81.45,97.951 82.773,96.628 82.773,95.889 82.405,95.521 v1(82.405,93.843)
NetLED_PI_2: LED_PI.2 RN10.7 | length 2.5
  Top Layer w0.2: RN10.7@79.24,95.745 80.465,95.745 81.27,94.939 LED_PI.2@81.27,94.814
NetQ1_1: Q1.1 Q2.3 R2.1 | length 5.7
  Top Layer w0.2: R2.1@42.058,97.289 42.316,97.031 Q1.1@42.316,95.937 42.316,94.236 42.785,93.767 Q2.3@44.666,93.767
NetQ2_1: Q2.1 R19.1 | length 4.3
  Top Layer w0.2: R19.1@45.597,91.583 45.597,95.848 Q2.1@45.616,95.867
NetQ3_1: Q3.1 R5.1 | length 5.8
  Top Layer w0.25: R5.1@73.159,73.039 73.159,73.089 76.729,76.659 76.729,77.112 Q3.1@76.904,77.287
NetQ4_1: Q4.1 R6.1 | length 3
  Top Layer w0.25: R6.1@73.172,74.431 73.172,75.495 73.477,75.8 Q4.1@73.477,77.257
NetQ5_1: Q5.1 R9.1 | length 4
  Top Layer w0.15: Q5.1@27.233,93.531 27.716,93.531 28.874,94.689 R9.1@30.748,94.689
NetQ6_1: Q6.1 R10.1 | length 4
  Top Layer w0.15: Q6.1@27.255,89.628 27.72,89.628 29.167,91.076 R10.1@30.683,91.076
P58: CN1.P$58 RN4.8 U3.22 | length 51.1
  Top Layer w0.15: CN1.P$58@18.2,59.7 20.325,59.7 21.411,58.614 22.63,58.614 23.93,57.313 RN4.8@24.751,57.313 ; v1(33.452,41.461) 33.531,41.461 33.81,41.182 34.022,41.182 34.288,40.916 34.288,38.202 35.571,36.918 41.016,36.918 41.762,36.173 U3.22@41.762,34.159
  Int2 (PWR) w0.15: CN1.P$58@18.2,59.7 20.334,59.7 21.593,58.441 22.973,58.441 23.571,57.843 23.571,46.457 26.876,43.152 31.071,43.152 32.551,41.672 33.215,41.672 33.425,41.461 v1(33.452,41.461)
P61: CN1.P$61 RN5.5 U3.21 | length 40.6
  Top Layer w0.15: CN1.P$61@22,57.16 22.288,57.16 23.963,55.485 RN5.5@24.752,55.485 ; v1(32.953,41.23) 33.034,41.23 33.456,40.809 33.456,40.616 34.038,40.034 34.038,38.098 35.468,36.668 40.501,36.668 41.112,36.058 U3.21@41.112,34.159
  Int2 (PWR) w0.15: CN1.P$61@22,57.16 22.991,57.16 23.321,56.83 23.321,46.354 26.773,42.902 30.967,42.902 32.628,41.241 32.942,41.241 v1(32.953,41.23)
P62: CN1.P$62 RN5.6 U3.18 | length 45.7
  Top Layer w0.15: CN1.P$62@18.2,57.16 20.38,57.16 21.41,56.13 22.739,56.13 23.829,55.04 23.829,54.862 24.009,54.682 24.133,54.682 24.136,54.685 RN5.6@24.751,54.685 RN5.6@24.722,54.655 ; v1(32.967,40.68) 33.788,39.86 33.788,37.995 35.364,36.418 38.535,36.418 39.162,35.792 U3.18@39.162,34.159
  Int2 (PWR) w0.15: CN1.P$62@18.2,57.16 20.455,57.16 21.742,55.873 22.793,55.873 23.071,55.595 23.071,46.25 26.669,42.652 30.864,42.652 32.733,40.783 32.784,40.783 32.886,40.68 v1(32.967,40.68)
P63: CN1.P$63 RN5.7 U3.17 | length 42.6
  Top Layer w0.15: CN1.P$63@20.1,55.89 20.11,55.88 22.636,55.88 23.571,54.945 23.571,54.078 23.839,53.81 24.676,53.81 RN5.7@24.751,53.885 ; v1(35.533,35.862) 35.586,35.862 35.892,36.168 38.088,36.168 38.512,35.744 U3.17@38.512,34.159
  Bottom Layer w0.15: CN1.P$63@20.1,55.89 21.169,55.9 25.154,55.9 26.004,55.099 ccw(c26.106,55.209) 26.01,55.094 26.044,55.065 cw(c25.948,54.95) 26.054,55.057 27.354,53.757 27.354,47.236 27.647,46.943 27.647,41.008 28.146,40.509 31.224,40.509 34.404,37.329 34.404,36.258 34.8,35.862 v1(35.533,35.862)
P64: CN1.P$64 RN5.8 U3.14 | length 49.6
  Top Layer w0.15: CN1.P$64@16.3,55.89 18.379,55.89 19.37,54.899 20.552,54.899 21.248,55.595 22.567,55.595 23.321,54.841 23.321,53.794 23.977,53.138 24.698,53.138 RN5.8@24.751,53.085 ; v1(35.293,35.27) 35.341,35.317 35.685,35.317 35.865,35.497 36.408,35.497 36.562,35.343 U3.14@36.562,34.159
  Bottom Layer w0.15: CN1.P$64@16.3,55.89 18.486,55.89 19.506,54.87 20.493,54.87 21.273,55.65 25.05,55.65 25.9,54.849 ccw(c26.003,54.959) 25.907,54.844 25.941,54.815 cw(c25.845,54.7) 25.95,54.807 ; 25.951,54.806 27.104,53.653 27.104,47.132 27.397,46.839 27.397,40.905 27.999,40.302 28.042,40.259 28.103,40.258 29.837,40.231 31.109,40.231 34.154,37.186 34.154,35.89 34.775,35.27 v1(35.293,35.27)
P65: CN1.P$65 RN6.5 U4.11 | length 41
  Top Layer w0.15: CN1.P$65@22,54.62 22.241,54.379 22.908,54.379 23.071,54.216 23.071,53.603 24.272,52.402 24.272,51.685 24.677,51.281 RN6.5@24.752,51.281 ; v1(35.489,30.637) 36.179,30.637 36.183,30.633 36.426,30.633 36.514,30.721 U4.11@36.514,31.796
  Bottom Layer w0.15: CN1.P$65@22,54.62 25.783,54.62 26.071,54.332 26.844,53.559 26.844,47.038 27.147,46.736 27.147,40.801 27.896,40.052 27.939,40.009 27.999,40.008 29.674,39.981 31.006,39.981 33.904,37.083 33.904,31.56 34.828,30.637 v1(35.489,30.637)
P66: CN1.P$66 RN6.6 U4.8 | length 52
  Top Layer w0.15: CN1.P$66@18.2,54.62 20.424,54.62 21.397,53.647 21.827,53.647 cw(c21.826,53.497) 21.841,53.646 ccw(c21.854,53.796) 21.852,53.646 21.955,53.646 cw(c21.955,53.496) 21.96,53.646 ccw(c22,54.62) 22.04,53.646 cw(c22.045,53.496) 22.045,53.646 22.52,53.646 24.011,52.155 24.011,50.74 24.214,50.537 24.695,50.537 RN6.6@24.751,50.481 ; v1(35.914,30.237) 35.935,30.216 36.364,30.216 36.439,30.141 37.97,30.141 38.464,30.635 U4.8@38.464,31.796
  Bottom Layer w0.15: CN1.P$66@18.2,54.62 20.36,54.62 21.38,53.6 22.675,53.6 23.403,54.328 25.722,54.328 25.74,54.31 26.071,53.979 26.594,53.455 26.594,46.935 26.897,46.632 26.897,40.697 27.792,39.802 27.835,39.759 27.896,39.758 29.57,39.731 30.902,39.731 33.654,36.979 33.654,31.456 34.874,30.237 v1(35.914,30.237)
P67: CN1.P$67 RN6.7 U4.7 | length 49.1
  Top Layer w0.15: CN1.P$67@20.1,53.35 22.462,53.35 23.757,52.056 23.757,49.893 23.968,49.681 RN6.7@24.751,49.681 ; v1(35.42,29.837) 38.71,29.837 39.114,30.24 U4.7@39.114,31.796
  Bottom Layer w0.15: CN1.P$67@20.1,53.35 22.865,53.35 22.909,53.394 22.913,53.398 22.917,53.402 23.451,54.022 cw(c23.564,53.924) 23.458,54.03 23.506,54.078 25.618,54.078 26.344,53.352 26.344,46.831 26.647,46.528 26.647,40.594 27.689,39.552 27.732,39.509 27.792,39.508 29.467,39.481 30.798,39.481 33.404,36.875 33.404,31.353 34.39,30.368 ; 34.397,30.36 34.921,29.837 v1(35.42,29.837)
P68: CN1.P$68 RN6.8 U4.4 | length 60.9
  Top Layer w0.15: CN1.P$68@16.3,53.35 18.455,53.35 19.543,52.262 20.503,52.262 21.297,53.055 22.404,53.055 23.507,51.952 23.507,49.525 24.151,48.881 RN6.8@24.751,48.881 ; v1(35.862,29.437) 35.863,29.438 40.576,29.438 41.064,29.926 U4.4@41.064,31.796
  Bottom Layer w0.15: CN1.P$68@16.3,53.35 18.396,53.35 19.418,52.328 20.687,52.328 21.417,53.057 23.032,53.057 23.076,53.101 23.08,53.105 23.686,53.81 25.533,53.81 26.094,53.248 26.094,46.677 26.397,46.374 26.397,40.49 27.585,39.302 27.628,39.259 27.689,39.258 29.363,39.231 30.695,39.231 33.154,36.772 33.154,31.249 34.967,29.437 v1(35.862,29.437)
P71: CN1.P$71 RN7.5 U4.3 | length 50.1
  Top Layer w0.15: CN1.P$71@20.1,50.81 20.11,50.82 22.78,50.82 23.257,50.344 23.257,48.982 24.429,47.81 24.429,47.297 24.679,47.047 RN7.5@24.754,47.047 ; v1(35.403,29.037) 40.924,29.037 41.714,29.827 U4.3@41.714,31.796
  Bottom Layer w0.15: CN1.P$71@20.1,50.81 20.11,50.82 22.565,50.82 25.844,47.541 25.844,46.545 26.147,46.242 26.147,30.516 27.626,29.037 v1(35.403,29.037)
P72: CN1.P$72 RN7.6 U4.22 | length 59.7
  Top Layer w0.15: CN1.P$72@16.3,50.81 18.468,50.81 19.467,49.811 20.526,49.811 21.285,50.57 22.677,50.57 23.007,50.24 23.007,48.865 24.179,47.692 24.179,47.444 24.179,46.51 24.267,46.422 24.579,46.422 RN7.6@24.754,46.247 ; v1(36.113,28.637) 36.123,28.647 41.178,28.647 41.714,28.111 U4.22@41.714,26.096
  Bottom Layer w0.15: CN1.P$72@16.3,50.81 18.445,50.81 19.462,49.793 20.608,49.793 21.385,50.57 22.462,50.57 25.594,47.438 25.594,46.442 25.897,46.139 25.897,30.412 27.624,28.686 35.192,28.686 35.241,28.637 v1(36.113,28.637)
P73: CN1.P$73 RN7.7 U4.21 | length 44.5
  Top Layer w0.15: CN1.P$73@22,49.54 22,49.518 23.899,47.619 23.899,45.784 24.217,45.466 24.735,45.466 RN7.7@24.754,45.447 ; v1(35.388,28.237) 38.084,28.237 38.091,28.244 40.649,28.244 41.064,27.828 U4.21@41.064,26.096
  Bottom Layer w0.15: CN1.P$73@22,49.54 22.142,49.54 25.647,46.035 25.647,30.309 27.719,28.237 v1(35.388,28.237)
P74: CN1.P$74 RN7.8 U4.18 | length 50.7
  Top Layer w0.15: CN1.P$74@18.2,49.54 20.581,49.54 21.591,48.53 22.634,48.53 23.649,47.515 23.649,45.681 24.179,45.151 24.179,44.985 24.267,44.897 24.504,44.897 RN7.8@24.754,44.647 ; v1(35.983,27.837) 35.996,27.824 36.619,27.824 36.782,27.987 38.869,27.987 39.114,27.742 U4.18@39.114,26.096
  Bottom Layer w0.15: CN1.P$74@18.2,49.54 20.39,49.54 21.374,48.556 22.773,48.556 25.397,45.932 25.397,30.205 27.766,27.837 v1(35.983,27.837)
P75: CN1.P$75 RN8.5 U4.17 | length 47
  Top Layer w0.15: CN1.P$75@20.1,48.27 20.11,48.28 22.531,48.28 23.399,47.412 23.399,45.577 23.929,45.047 23.929,42.979 24.082,42.827 RN8.5@24.752,42.827 ; v1(35.378,27.437) 35.435,27.494 35.756,27.494 35.758,27.496 35.817,27.437 36.201,27.437 36.338,27.574 36.723,27.574 36.867,27.718 38.143,27.718 38.464,27.397 U4.17@38.464,26.096
  Bottom Layer w0.15: CN1.P$75@20.1,48.27 22.705,48.27 25.147,45.828 25.147,30.102 27.812,27.437 v1(35.378,27.437)
P76: CN1.P$76 RN8.6 U4.14 | length 54.1
  Top Layer w0.15: CN1.P$76@16.3,48.27 18.536,48.27 19.543,47.263 20.614,47.263 21.381,48.03 22.427,48.03 23.149,47.308 23.149,45.473 23.675,44.947 23.675,42.268 23.916,42.027 RN8.6@24.751,42.027 ; v1(36.504,27.174) 36.509,27.169 36.509,26.159 U4.14@36.505,26.155
  Bottom Layer w0.15: CN1.P$76@16.3,48.27 18.353,48.27 19.351,47.272 20.53,47.272 21.278,48.02 22.362,48.02 24.897,45.485 24.897,29.998 27.822,27.074 35.175,27.074 35.232,27.017 35.729,27.017 35.886,27.174 v1(36.504,27.174)
P77: CN1.P$77 RN8.7 U5.3 | length 51.3
  Top Layer w0.15: CN1.P$77@22,47 22.899,46.101 22.899,45.369 23.425,44.843 23.425,41.62 23.819,41.227 RN8.7@24.751,41.227 ; v1(35.377,22.434) 35.377,22.397 35.86,21.914 41.414,21.914 41.679,22.179 U5.3@41.679,23.707
  Bottom Layer w0.15: CN1.P$77@22,47 22.014,47 24.647,44.367 24.647,23.887 26.28,22.254 34.814,22.254 34.957,22.397 35.34,22.397 v1(35.377,22.434)
P78: CN1.P$78 RN8.8 U5.4 | length 58.2
  Top Layer w0.15: CN1.P$78@18.2,47 20.459,47 21.792,45.666 22.249,45.666 23.175,44.74 23.175,40.901 23.579,40.496 24.682,40.496 RN8.8@24.751,40.427 ; v1(36.106,22.345) 36.163,22.345 36.344,22.164 38.509,22.164 40.628,22.164 41.042,22.578 41.042,23.685 U5.4@41.019,23.707
  Bottom Layer w0.15: CN1.P$78@18.2,47 20.413,47 21.668,45.745 22.915,45.745 24.397,44.264 24.397,23.784 26.176,22.004 35.283,22.004 35.313,22.034 35.644,22.034 35.651,22.028 35.775,22.028 36.092,22.345 v1(36.106,22.345)
P81: CN1.P$81 U5.22 | length 43.8
  Top Layer w0.15: v1(35.479,21.634) 35.499,21.655 35.711,21.655 35.72,21.664 40.67,21.664 41.345,20.989 41.345,19.707 41.669,19.383 U5.22@41.669,18.007
  Bottom Layer w0.15: CN1.P$81@22,44.46 23.105,44.46 24.147,43.418 24.147,23.68 26.08,21.747 35.154,21.747 35.209,21.691 35.421,21.691 v1(35.479,21.634)